# Altium PCB Stabilizer_Pounder.PcbDoc (part 1 of 7)
Units mm, origin at the board's own origin, x right, y up, seen from the top; angles counter-clockwise.
Board outline 113.55 x 100 mm, 4 copper layers (Top, P2, L3, Bottom Layer), stack 1.579 mm thick; 591 components, 344 nets, 1737 pads, 984 vias.
Unrouted connection lines stored in the file: 2.
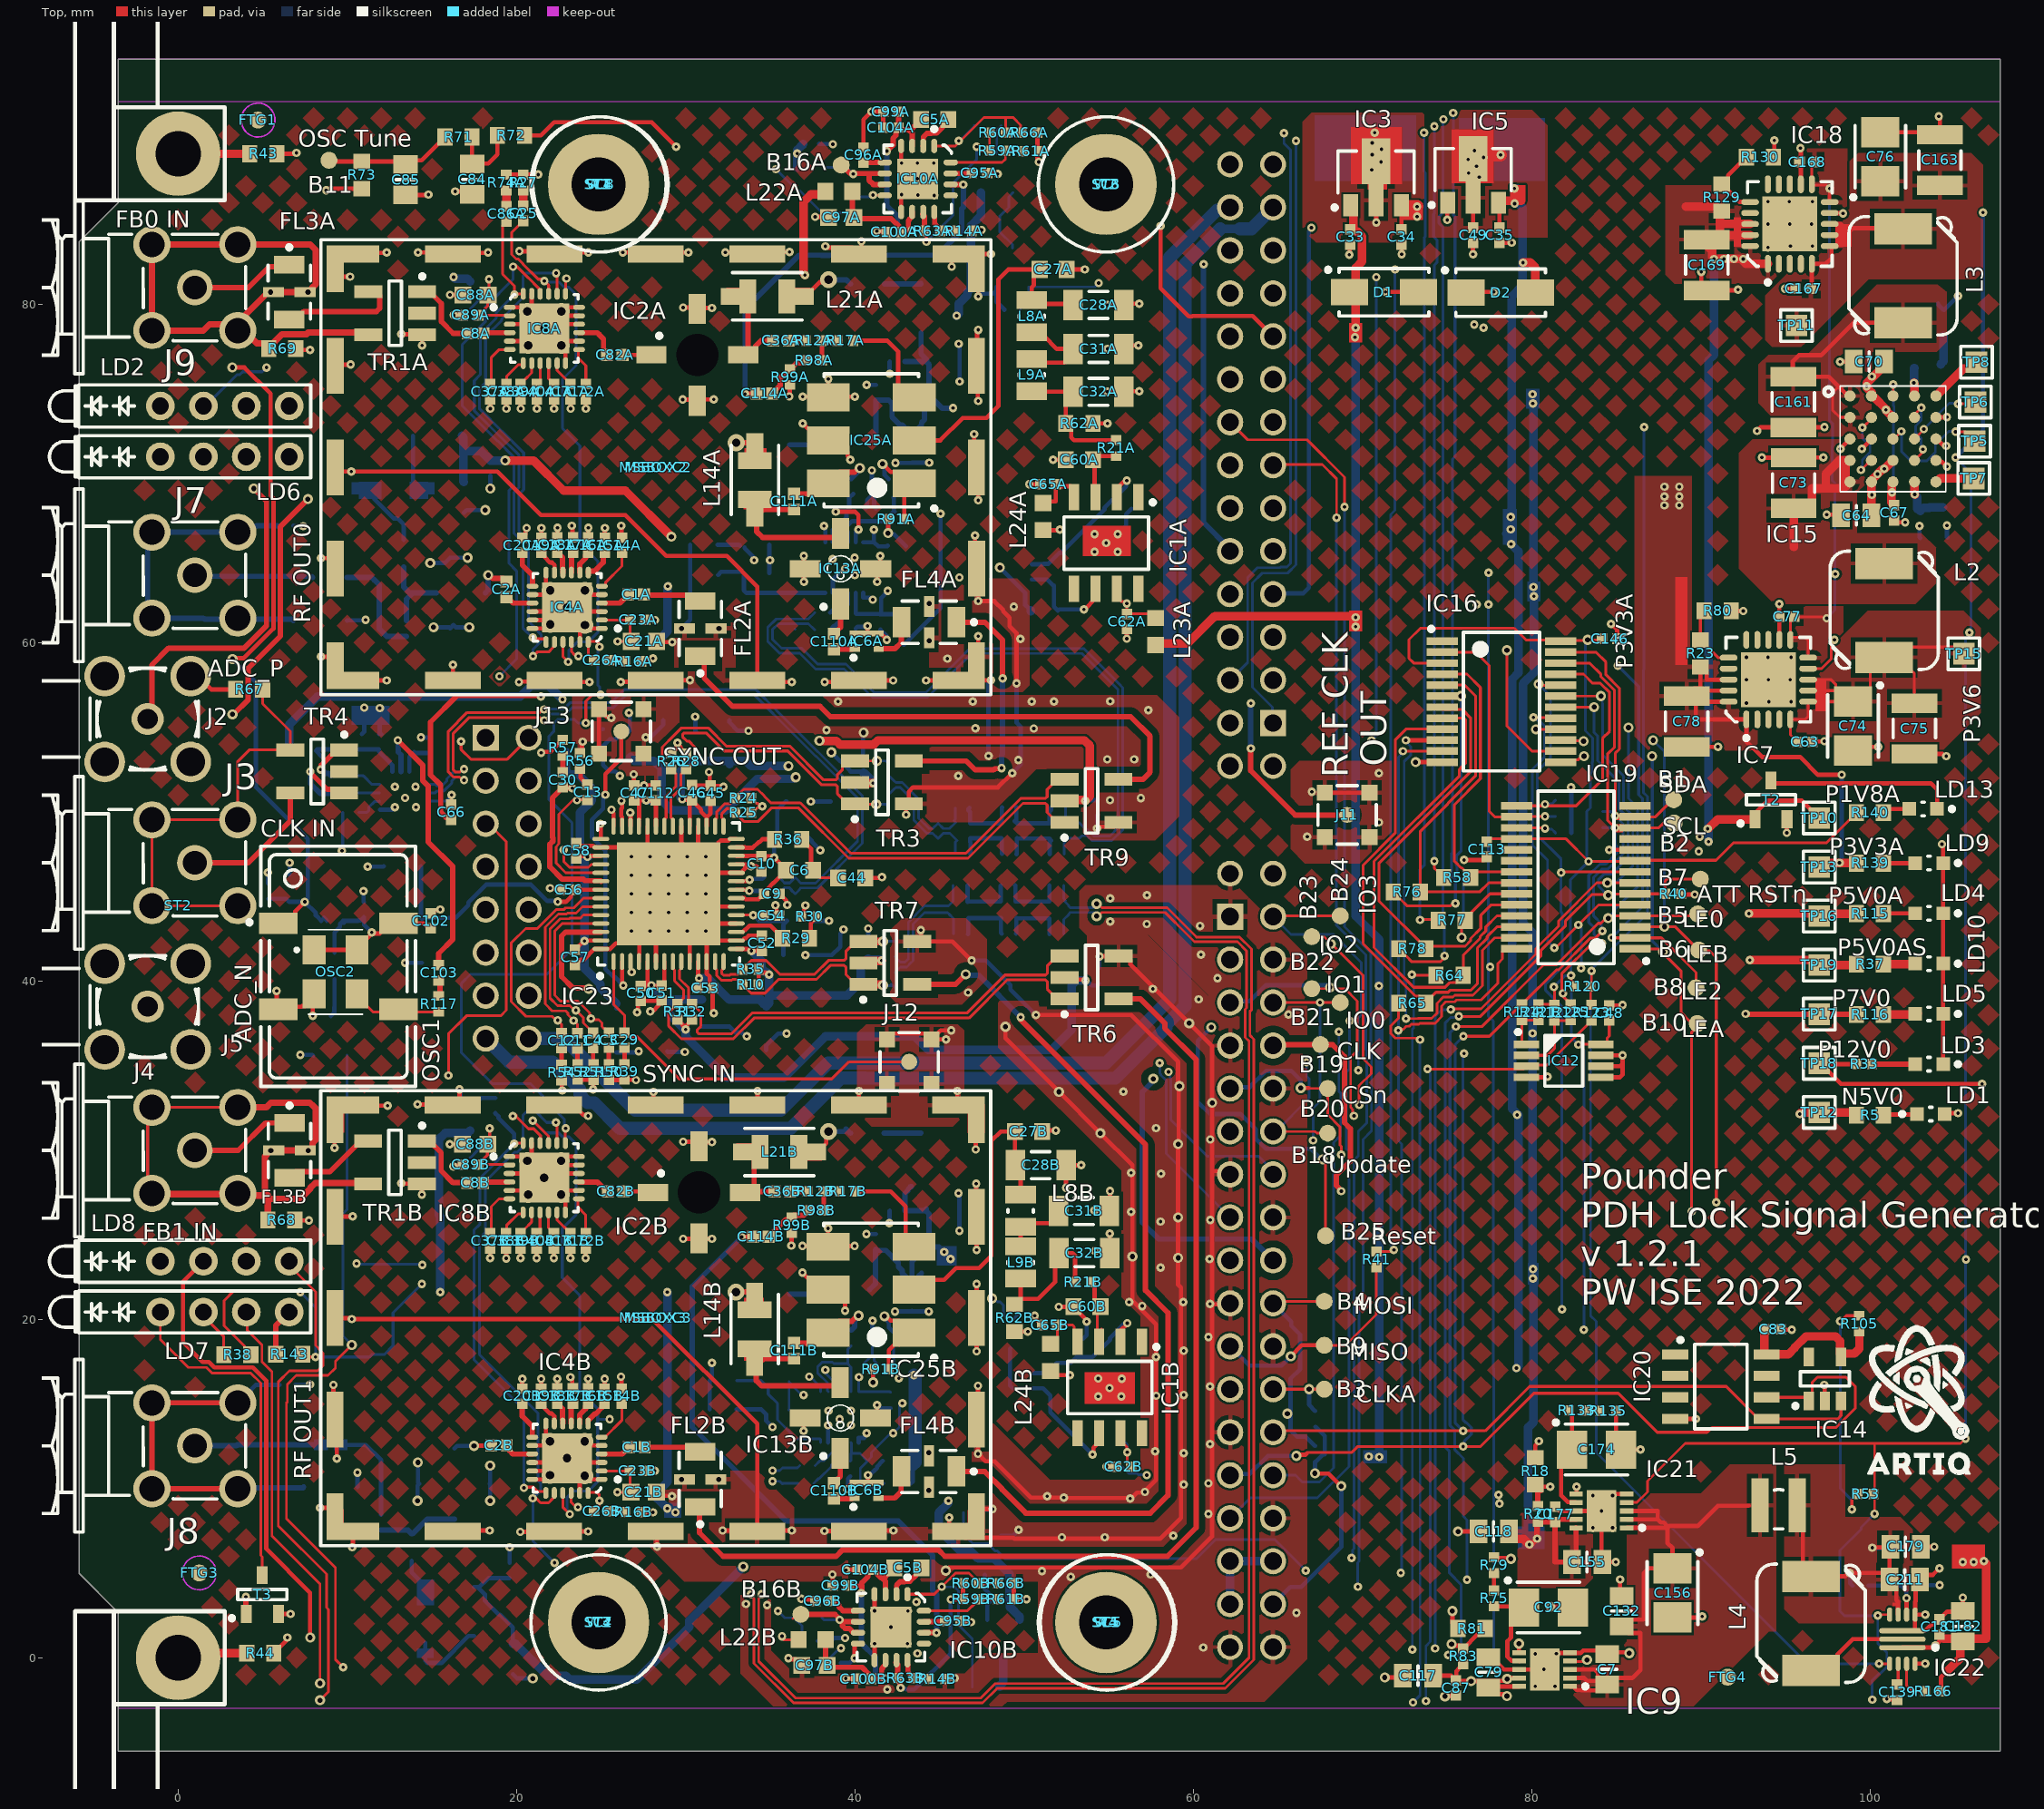
[diagram p0: Top view]
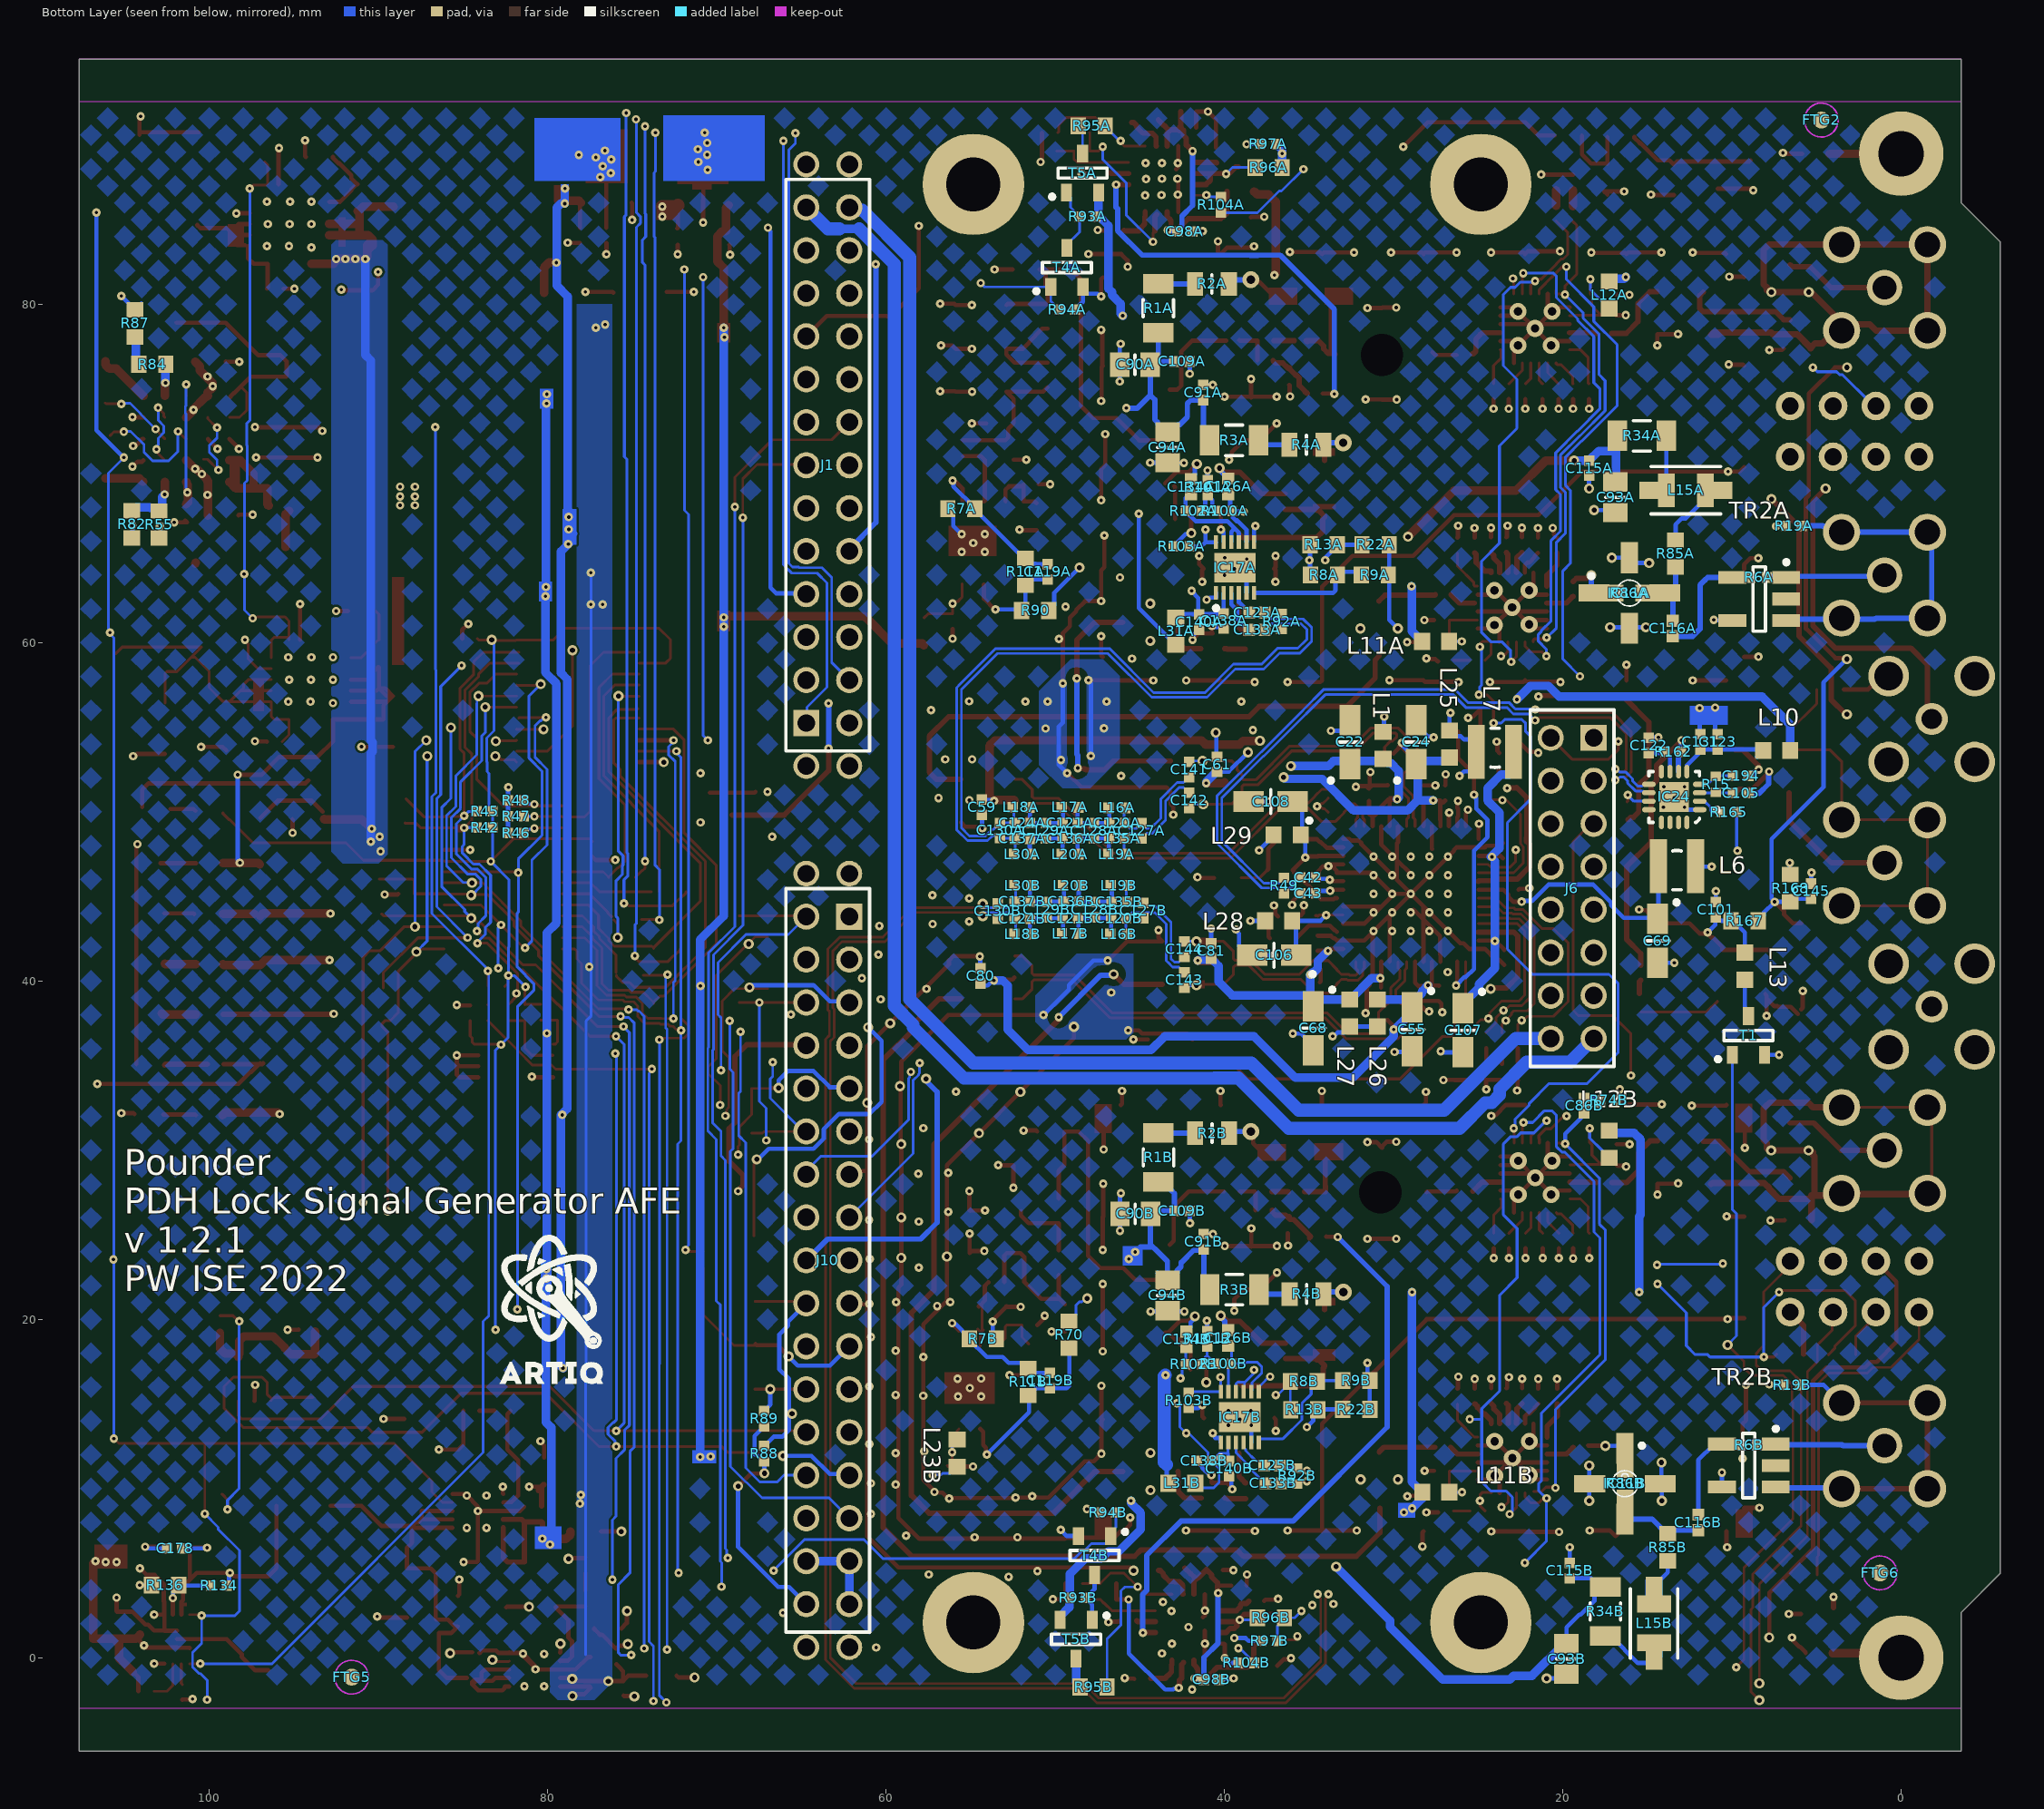
[diagram p1: Bottom Layer view, seen from below]
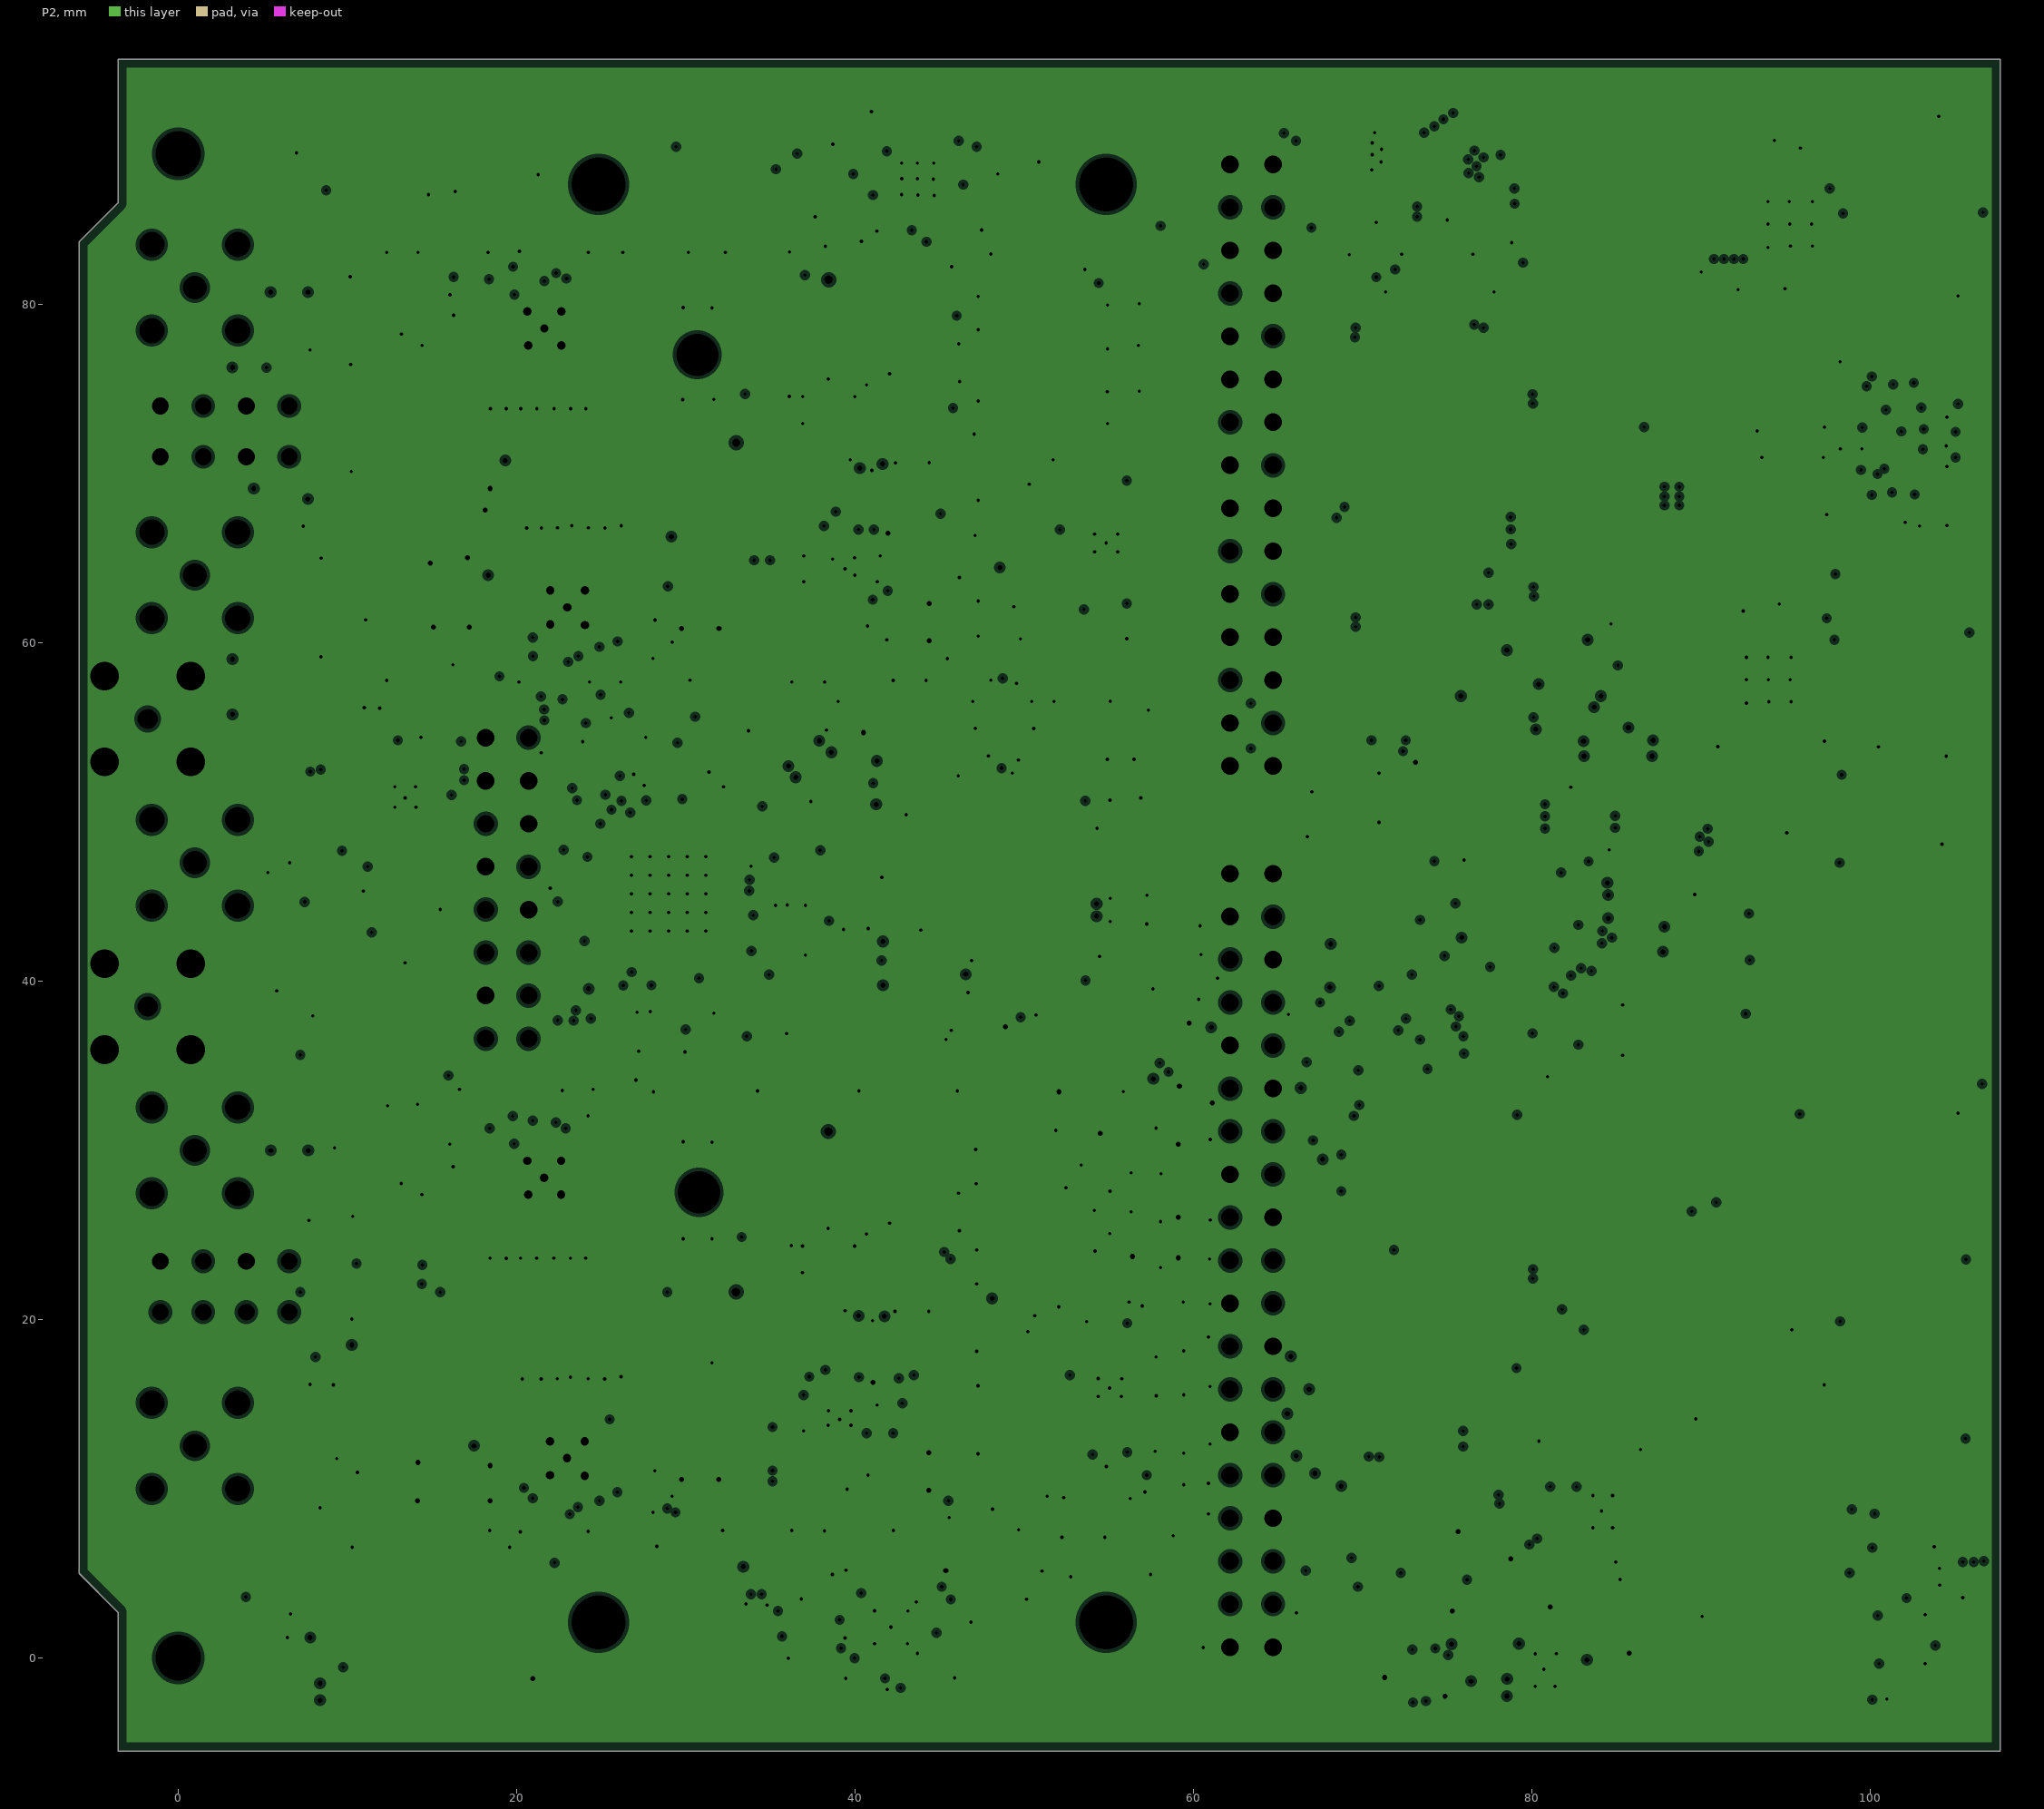
[diagram p2: P2, clearances drawn from the general rule]